# Altium PCB WirelessBoard_LCD20x4v2.PcbDoc
Units mil, origin at the board's own origin, x right, y up, seen from the top; angles counter-clockwise.
Board outline 7283.46 x 3149.61 mil, 2 copper layers (Top Layer, Bottom Layer); 72 components, 84 nets, 498 pads, 19 vias.
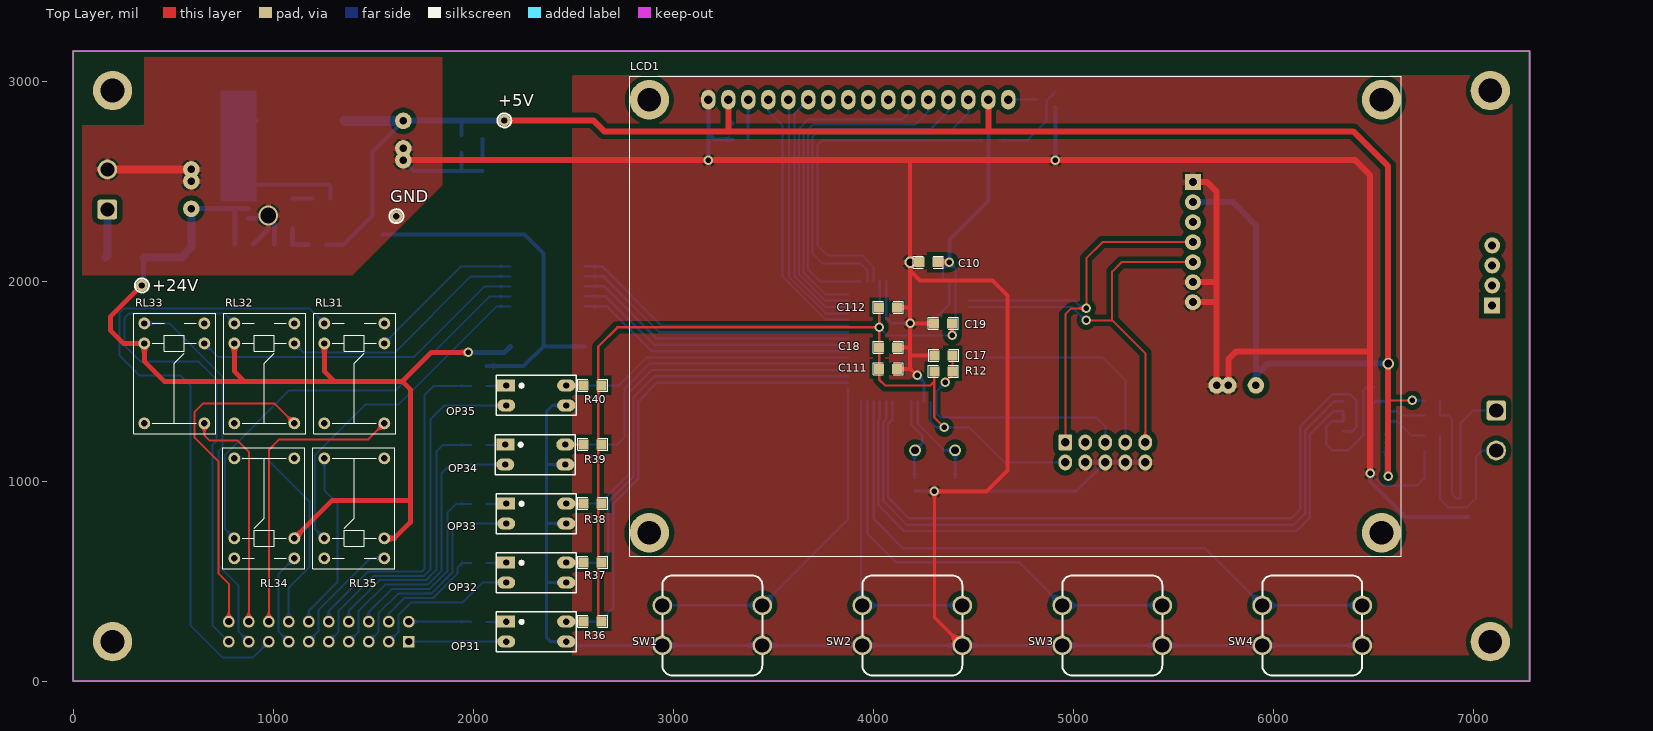
[diagram p0: Top Layer view]
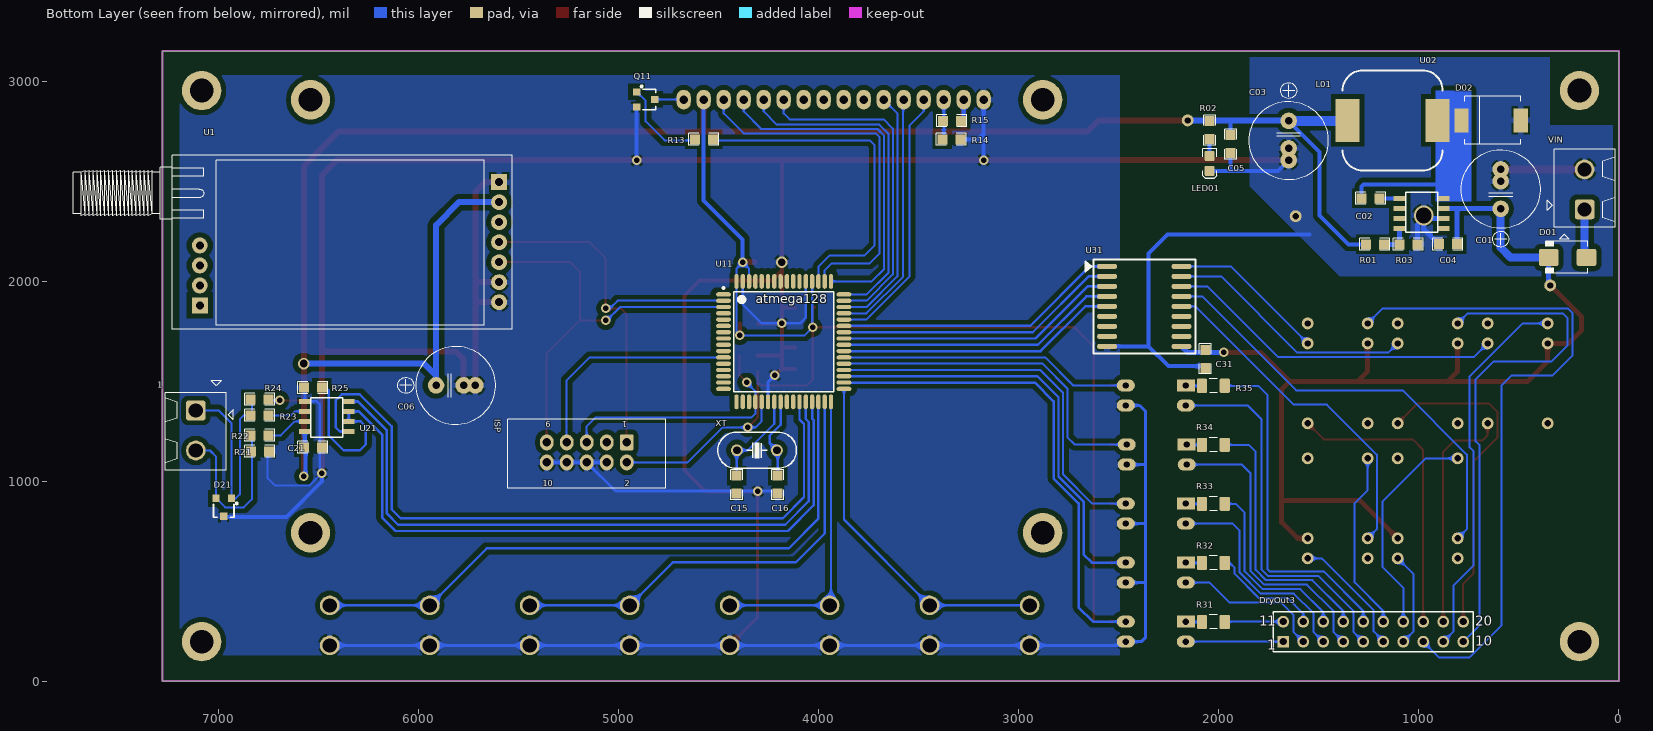
[diagram p1: Bottom Layer view, seen from below]
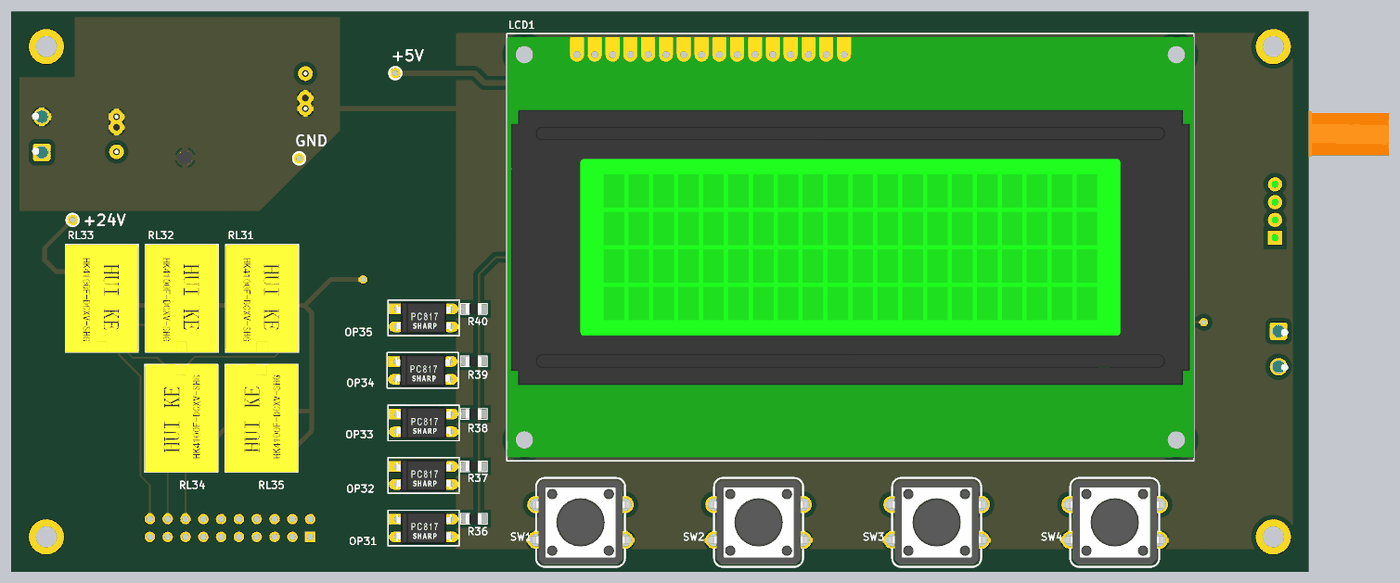
[diagram p2: 3D render of the assembled board from above, using the file's embedded part models]
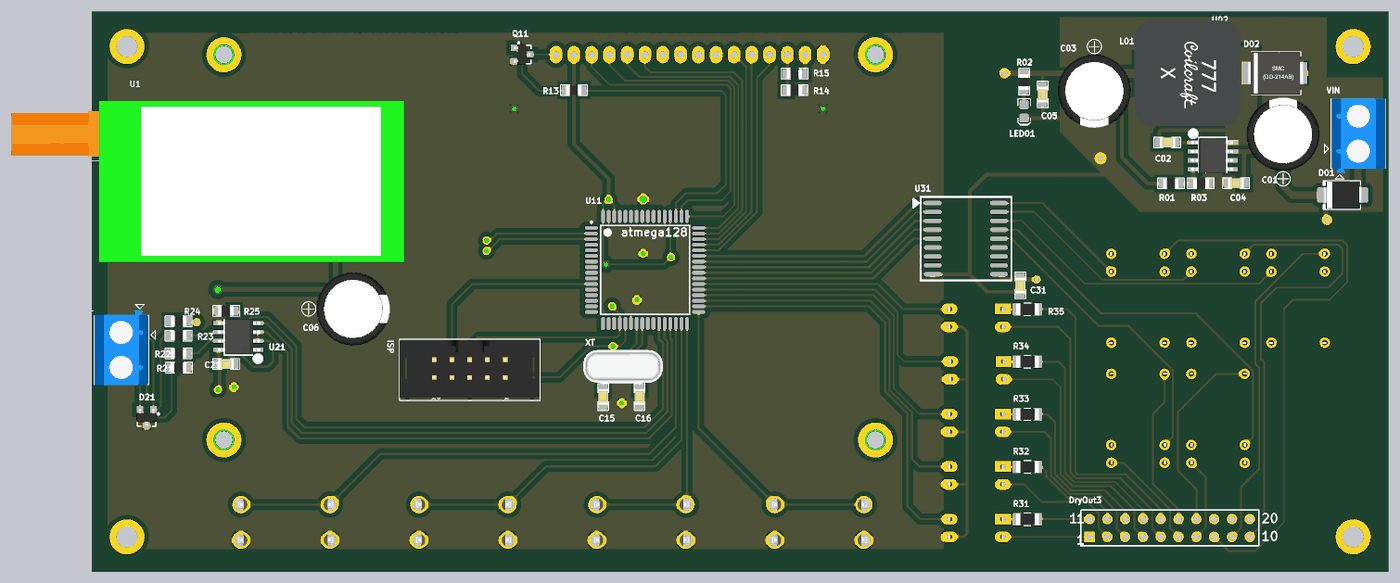
[diagram p3: 3D render of the assembled board from below, using the file's embedded part models]

## Layer stack, top to bottom
Top Solder: solder mask 0.4, Solder Resist, Dk 3.5
Top Layer: signal copper 1.4
Dielectric 1: dielectric 12.6, FR-4, Dk 4.8
Bottom Layer: signal copper 1.4
Bottom Solder: solder mask 0.4, Solder Resist, Dk 3.5

## Board outline
0,0 7283.46,0 7283.46,3149.61 0,3149.61

## Design rules (kind name [scope] priority, off if disabled: settings)
Clearance [All] p1: gap=12 ignorepadtopadclearanceinfootprint=FALSE except(0: Arc-Hole Track-Hole SMDPad-Hole THPad-Hole Via-Hole Fill-Hole Poly-Hole Region-Hole Text-Hole; 8: Arc-SMDPad Track-SMDPad SMDPad-SMDPad; 25: Arc-Poly Track-Poly SMDPad-Poly THPad-Poly Via-Poly Fill-Poly Poly-Poly)
PlaneConnect [All] p1: planeconnectstyle=Relief reliefexpansion=20 reliefentries=4 reliefconductorwidth=30 reliefairgap=10
PolygonConnect [All] p1: connectstyle=Relief reliefconductorwidth=30 reliefentries=4 polygonreliefangle="90 Angle" airgapwidth=10
RoutingVias [All] p1: holewidth=31.5 width=51.18 viastyle="Through Hole" minholewidth=27.56 minwidth=47.24 maxholewidth=196.85 maxwidth=196.85
SolderMaskExpansion [All] p1: expansion=4
Width [All] p1: maxlimit=50 minlimit=10 preferedwidth=10
29 further rules are at their usual default settings.

## Classes and differential pairs
component class 3.Relayv2: C31 DryOut3 OP31 OP32 OP33 OP34 OP35 R31 R32 R33 R34 R35 R36 R37 R38 R39 R40 RL31 RL32 RL33 RL34 RL35 U31
component class 1.MCUv3: 1 +5V +24V C01 C02 C03 C04 C05 C06 C10 C15 C16 C17 C18 C19 C21 C111 C112 D01 D02 D21 GND ISP L01 LCD1 LED01 Q11 R01 R02 R03 R12 R13 R14 R15 R21 R22 R23 R24 R25 SW1 SW2 SW3 SW4 U1 U02 U11 U21 VIN XT

## Components (designator, comment, footprint, x,y, rotation, side; value= is the part's Value field where it differs from the comment)
1 "Giắc xanh 5.08mm" 2P_PCB1 7116.06,1252.8 r0 bottom value="2 position"
+5V "TP" TP2 2156.06,2803.35 r0 top
+24V "TP" TP2 343.56,1978.35 r90 top
C01 "Tụ nhôm cắm35V/220uF" CAPE3.5-5.0MM_Rad_10x14mm 590.63,2459.92 r90 bottom value=35V/220uF
C02 "Tụ điện dán 0805103" "CAP 0805"#1 1240.63,2413.35 r0 bottom value=103
C03 "Tụ nhôm cắm35V/220uF" CAPE3.5-5.0MM_Rad_10x14mm 1651.06,2702.72 r270 bottom value=35V/220uF
C04 "Tụ điện dán 0805104" "CAP 0805"#1 856.06,2184.84 r180 bottom value=104
C05 "Tụ điện dán 0805104" "CAP 0805"#1 1941.06,2683.35 r90 bottom value=104
C06 "Tụ nhôm cắm35V/220uF" CAPE3.5-5.0MM_Rad_10x14mm 5816.06,1478.35 r180 bottom value=35V/220uF
C10 "Tụ điện dán 0805104" "CAP 0805"#2 4276.06,2094.35 r0 top value=104
C15 "Tụ điện dán 080522p" "CAP 0805"#1 4411.06,983.35 r270 bottom value=22p
C16 "Tụ điện dán 080522p" "CAP 0805"#1 4206.06,983.35 r270 bottom value=22p
C17 "Tụ điện dán 0805104" "CAP 0805"#2 4352.06,1628.35 r0 top value=104
C18 "Tụ điện dán 0805104" "CAP 0805"#2 4076.06,1668.35 r180 top value=104
C19 "Tụ điện dán 0805104" "CAP 0805"#2 4349.57,1788.35 r0 top value=104
C21 "Tụ điện dán 0805104" "CAP 0805"#1 6531.06,1168.35 r180 bottom value=104
C31 "Tụ điện dán 0805104" "CAP 0805"#1 2066.93,1610.24 r90 bottom value=104
C111 "Tụ điện dán 0805104" "CAP 0805"#2 4076.06,1560.87 r180 top value=104
C112 "Tụ điện dán 0805104" "CAP 0805"#2 4076.06,1868.35 r180 top value=104
D01 "Đi ốt dánchân DO-214AB" DO-214AA 256.06,2118.35 r0 bottom
D02 "SS34" "SMD diode" 790,2803.35 r180 bottom
D21 "SM712" "SOT23 TOP" 6976.06,868.35 r0 bottom
DryOut3 "Header 10X2A" HDR2X10_CEN 1677.95,196.85 r180 bottom
GND "TP" TP2 1616.06,2324.46 r0 top
ISP "Giắc đôi 5x2 chân 2.54mm" 10P_PCB_HEADER_BRD_MNT 5161.06,1143.35 r270 bottom value="Double-row, 10 positions"
L01 "Cuộn cảm dán22uH" "Inductor 12x12x6" 881.06,3053.35 r0 bottom value=22uH
LCD1 "Màn hình LCD text20x4" "LCD 20x4" 3176.06,2907.35 r0 top
LED01 "Blue" LED-0805-K 2046.06,2588.35 r270 bottom
OP31 "PC817" DIP4/W0.3 2165.35,296.85 r270 top
OP32 "PC817" DIP4/W0.3 2165.35,592.13 r270 top
OP33 "PC817" DIP4/W0.3 2165.35,887.4 r270 top
OP34 "PC817" DIP4/W0.3 2160.63,1182.68 r270 top
OP35 "PC817" DIP4/W0.3 2165.35,1477.95 r270 top
Q11 "C828" "SOT23 TOP" 4866.06,2908.35 r270 bottom
R01 "Điện trở dán 080510k" "RES 0805"#1 1220.94,2183.35 r0 bottom value=10k
R02 "Điện trở dán 0805330R" "RES 0805"#1 2046.06,2753.46 r270 bottom value=330R
R03 "Điện trở dán 08053.24k" "RES 0805"#1 1051.06,2183.35 r180 bottom value=3.24k
R12 "Điện trở dán 080510k" "RES 0805"#2 4351.94,1548.35 r0 top value=10k
R13 "Điện trở dán 0805120R" "RES 0805"#1 4576.57,2708.35 r0 bottom value=120R
R14 "Điện trở dán 08051k" "RES 0805"#1 3336.06,2708.35 r180 bottom value=1k
R15 "Điện trở dán 080510k" "RES 0805"#1 3336.06,2801.14 r0 bottom value=10k
R21 "Điện trở dán 08051k" "RES 0805"#1 6796.06,1148.35 r0 bottom value=1k
R22 "Điện trở dán 080510R" "RES 0805"#1 6796.06,1228.35 r180 bottom value=10R
R23 "Điện trở dán 080510R" "RES 0805"#1 6796.06,1328.35 r180 bottom value=10R
R24 "Điện trở dán 08051k" "RES 0805"#1 6796.06,1408.35 r180 bottom value=1k
R25 "Điện trở dán 080510k" "RES 0805"#1 6531.06,1466.81 r0 bottom value=10k
R31 "Điện trở dán 12064k7" RESC3216N 2027.56,295.27 r0 bottom value=4k7
R32 "Điện trở dán 12064k7" RESC3216N 2027.56,590.54 r0 bottom value=4k7
R33 "Điện trở dán 12064k7" RESC3216N 2027.56,885.82 r0 bottom value=4k7
R34 "Điện trở dán 12064k7" RESC3216N 2027.56,1181.1 r0 bottom value=4k7
R35 "Điện trở dán 12064k7" RESC3216N 2027.56,1476.37 r0 bottom value=4k7
R36 "Điện trở dán 080510k" "RES 0805"#2 2596.06,298.35 r180 top value=10k
R37 "Điện trở dán 080510k" "RES 0805"#2 2596.06,593.35 r180 top value=10k
R38 "Điện trở dán 080510k" "RES 0805"#2 2596.18,888.35 r180 top value=10k
R39 "Điện trở dán 080510k" "RES 0805"#2 2596.06,1183.35 r180 top value=10k
R40 "Điện trở dán 080510k" "RES 0805"#2 2596.06,1478.35 r180 top value=10k
RL31 "HK4100F_12V" HK4100F 1556.06,1288.35 r90 top
RL32 "HK4100F_12V" HK4100F 1106.06,1288.35 r90 top
RL33 "HK4100F_12V" HK4100F 656.06,1288.35 r90 top
RL34 "HK4100F_12V" HK4100F 806.06,1113.35 r270 top
RL35 "HK4100F_12V" HK4100F 1256.06,1113.35 r270 top
SW1 "Nút bấm 4 chân cắm12x12x6mm" "SW 12x12x4" 3196.06,278.35 r0 top
SW2 "Nút bấm 4 chân cắm12x12x6mm" "SW 12x12x4" 4196.06,278.35 r0 top
SW3 "Nút bấm 4 chân cắm12x12x6mm" "SW 12x12x4" 5196.06,278.35 r0 top
SW4 "Nút bấm 4 chân cắm12x12x6mm" "SW 12x12x4" 6196.06,278.35 r0 top
U1 "Module thu phát không dây RFE32-TTL-1W" RF_AS32 5599.06,2494.35 r0 bottom value=E32-TTL-1W
U02 "TPS5430" "SOIC 8" 1095.63,2463.35 r180 bottom
U11 "ATmega128-16AC" 64A_N 4175.83,1697.17 r180 bottom
U21 "MAX4858 chân cắm" "SOIC 8" 6351.06,1198.35 r0 bottom
U31 "ULN2803A" SOIC-18 2373.03,1873.23 r180 bottom
VIN "Giắc xanh 5.08mm" 2P_PCB1 171.06,2458.35 r180 bottom value="2 position"
XT "Thạch anh cắm 16MHz" XT2 4310.06,1153.77 r0 bottom

## Footprints (in the part's own frame and the unit in brackets; to place one, negate y for a bottom-side part, rotate by r counter-clockwise, add the part's x,y. Pads: shape width x height; smd on the part's side, far side on the other; paste and mask are expansions set on the pad)
2P_PCB1 [mm]
  rrect25% 2.5x2.5 hole 1.8: 1(0,-2.54)
  round 2.5 hole 1.8: 2(0,2.54)
  silkscreen extent -4.78,-6.35 3.9,5.08, body extent -3.71,-5.47 3.89,5.13, height 10.01
10P_PCB_HEADER_BRD_MNT [mil] "HEADER BRD MNT 10POS 2.54MM"
  round 40 on Mech14: 0(0,0)
  rrect25% 80x68 hole 42: 1(-50,200)
  oval 80x68 hole 42: 2(50,200) 3(-50,100) 4(50,100) 5(-50,0) 6(50,0) 7(-50,-100) 8(50,-100) 9(-50,-200) 10(50,-200)
  silkscreen extent -165,-395 180,395, body extent -162,-394 178,394, height 390
64A_N [mm] "Thin QFP, 64-Leads, Body 14x14mm, Pitch 0.8mm, IPC Medium Density"
  oval 1.877x0.55 smd: 1(-7.65,6) 2(-7.65,5.2) 3(-7.65,4.4) 4(-7.65,3.6) 5(-7.65,2.8) 6(-7.65,2) 7(-7.65,1.2) 8(-7.65,0.4) 9(-7.65,-0.4) 10(-7.65,-1.2) 11(-7.65,-2) 12(-7.65,-2.8) 13(-7.65,-3.6) 14(-7.65,-4.4) 15(-7.65,-5.2) 16(-7.65,-6) 33(7.65,-6) 34(7.65,-5.2) 35(7.65,-4.4) 36(7.65,-3.6) 37(7.65,-2.8) 38(7.65,-2) 39(7.65,-1.2) 40(7.65,-0.4) 41(7.65,0.4) 42(7.65,1.2) 43(7.65,2) 44(7.65,2.8) 45(7.65,3.6) 46(7.65,4.4) 47(7.65,5.2) 48(7.65,6)
  oval 0.55x1.877 smd: 17(-6,-7.65) 18(-5.2,-7.65) 19(-4.4,-7.65) 20(-3.6,-7.65) 21(-2.8,-7.65) 22(-2,-7.65) 23(-1.2,-7.65) 24(-0.4,-7.65) 25(0.4,-7.65) 26(1.2,-7.65) 27(2,-7.65) 28(2.8,-7.65) 29(3.6,-7.65) 30(4.4,-7.65) 31(5.2,-7.65) 32(6,-7.65) 49(6,7.65) 50(5.2,7.65) 51(4.4,7.65) 52(3.6,7.65) 53(2.8,7.65) 54(2,7.65) 55(1.2,7.65) 56(0.4,7.65) 57(-0.4,7.65) 58(-1.2,7.65) 59(-2,7.65) 60(-2.8,7.65) 61(-3.6,7.65) 62(-4.4,7.65) 63(-5.2,7.65) 64(-6,7.65)
  silkscreen extent -7.78,-6.35 6.35,6.95, body extent -7,-7 7,7, height 1.2
"CAP 0805"#1 [mm]
  round 0.254 on Mech14: 0(0,0)
  rect 1.27x1.27 smd: 1(-1.118,0) 2(1.168,0)
  rrect25% 1x1.4 on Bottom Paste: 1(-0.9,0) 1(0.9,0)
  rrect25% 1.2x1.4 on Bottom Solder: 1(-0.9,0) 1(0.9,0)
  Top Layer pour cut-out: 0.4,-0.8 -0.4,-0.8 -0.4,0.8 0.4,0.8
  silkscreen extent -1.88,-0.76 1.93,0.76, body extent -1.1,-0.73 1.1,0.72, height 1.34
"CAP 0805"#2 [mm]
  round 0.254 on Mech14: 0(0,0)
  rect 1.27x1.27 smd: 1(-1.118,0) 2(1.168,0)
  rrect25% 1x1.4 on Top Paste: 1(-0.9,0) 1(0.9,0)
  rrect25% 1.2x1.4 on Top Solder: 1(-0.9,0) 1(0.9,0)
  Top Layer pour cut-out: 0.4,-0.8 -0.4,-0.8 -0.4,0.8 0.4,0.8
  silkscreen extent -1.88,-0.76 1.93,0.76, body extent -1.1,-0.73 1.1,0.72, height 1.34
CAPE3.5-5.0MM_Rad_10x14mm [mm] "3.5 & 5.0mm Pitch Radial Capacitor 10x14mm DxH"
  round 0.5 on Mech14: 0(0,0)
  round 2.1 hole 0.965: 1(-2.5,0) 2(1,0) 2(2.5,0)
  silkscreen extent -7.37,-5 5,5, body extent -5.25,-5.25 5.25,5.25, height 13.99
DIP4/W0.3 [mil] "PC817"
  rect 60x90 hole 31: 1(0,0)
  oval 60x90 hole 31: 2(100,0) 3(100,300) 4(0,300)
  silkscreen extent -50,-50 150,350, body extent -40,-5 140,305, height 169
DO-214AA [mm] "JEDEC DO214 variation AA. SMB"
  round 0.508 on Mech14: 0(0,0)
  rrect25% 2.5x2.2 smd: A(-2.4,0) K(2.4,0)
  silkscreen extent -2.54,-2.03 2.79,2.03, body extent -2.8,-1.97 2.8,1.98, height 2.62
HDR2X10_CEN [mm] "Connector; Header; 10x2 Position"
  rect 1.5x1.5 hole 0.9: 1(0,0)
  round 1.5 hole 0.9: 2(2.54,0) 3(5.08,0) 4(7.62,0) 5(10.16,0) 6(12.7,0) 7(15.24,0) 8(17.78,0) 9(20.32,0) 10(22.86,0) 11(0,2.54) 12(2.54,2.54) 13(5.08,2.54) 14(7.62,2.54) 15(10.16,2.54) 16(12.7,2.54) 17(15.24,2.54) 18(17.78,2.54) 19(20.32,2.54) 20(22.86,2.54)
  silkscreen extent -1.27,-1.27 24.13,3.81, body extent -1.27,-1.27 24.13,3.81, height 7
HK4100F [mm] "Relay 6 pin"
  round 1.5 hole 0.8: 1(0,7.62) 2(0,0) 3(10.16,7.62) 4(10.16,0) 5(12.7,7.62) 6(12.7,0)
  silkscreen extent -1.35,-1.45 14.02,8.97, body extent -1.38,-1.43 14.02,8.97, height 11.82
"Inductor 12x12x6" [mil]
  rect 120x215 smd: 1(25,250) 2(475,250)
  silkscreen extent 0,0 500,500, body extent -50,-47 544,547, height 356
"LCD 20x4" [mm]
  oval 1.8x2.5 hole 1.1: 1(0,0) 2(2.54,0) 3(5.08,0) 4(7.62,0) 5(10.16,0) 6(12.7,0) 7(15.24,0) 8(17.78,0) 9(20.32,0) 10(22.86,0) 11(25.4,0) 12(27.94,0) 13(30.48,0) 14(33.02,0) 15(35.56,0) 16(38.1,0)
  round 3 hole 3: H(-7.5,-55) H(-7.5,0) H(85.5,-55) H(85.5,0)
  silkscreen extent -10,-58 88,3, body extent -10,-57.5 88,2.5, height 22.6
LED-0805-K [mil]
  round 20 on Mech14: 0(0,0)
  rrect25% 50x50 smd: A(-37.5,0) K(37.5,0)
  Top Layer pour cut-out: -15,30 15,30 15,-30 -15,-30
  silkscreen extent -72,-35 77,35, body extent -39,-25 39,25, height 31
"RES 0805"#1 [mm] "Compoment SMD 80x50mil"
  round 0.254 on Mech14: 0(0.003,0)
  rrect25% 0.8x1.3 on Bottom Paste: 1(-0.997,0) 1(1.003,0)
  rrect25% 1x1.3 on Bottom Solder: 1(-0.997,0) 1(1.003,0)
  rect 1.27x1.27 smd: 1(1.116,0) 2(-1.17,0)
  Top Layer pour cut-out: 0.603,-0.75 -0.597,-0.75 -0.597,0.75 0.603,0.75
  silkscreen extent -1.93,-0.76 1.88,0.76, body extent -1.1,-0.68 1.1,0.67, height 0.69
"RES 0805"#2 [mm] "Compoment SMD 80x50mil"
  round 0.254 on Mech14: 0(0.003,0)
  rrect25% 0.8x1.3 on Top Paste: 1(-0.997,0) 1(1.003,0)
  rrect25% 1x1.3 on Top Solder: 1(-0.997,0) 1(1.003,0)
  rect 1.27x1.27 smd: 1(1.116,0) 2(-1.17,0)
  Top Layer pour cut-out: 0.603,-0.75 -0.597,-0.75 -0.597,0.75 0.603,0.75
  silkscreen extent -1.93,-0.76 1.88,0.76, body extent -1.1,-0.68 1.1,0.67, height 0.69
RESC3216N [mm] "Chip Resistor, Body 3.2x1.6mm, 1206, IPC Medium Density"
  round 0.508 on Mech14: 0(0,0)
  rrect25% 1.3x1.8 smd: 1(-1.45,0) 2(1.45,0)
  silkscreen extent -0.51,-0.89 0.51,0.89, body extent -1.62,-0.82 1.63,0.83, height 0.69
RF_AS32 [mil]
  round 80 hole 40: 0(1497,316) 0(1497,416) 0(1497,516) 2(0,100) 3(0,200) 4(0,300) 5(0,400) 6(0,500) 7(0,600)
  rect 80x80 hole 40: 0(1497,616) 1(0,0)
  silkscreen extent -65,-135 2130,735, body extent -68,-154 2136,752, height 532
"SMD diode" [mm] "SS54 SS34"
  rect 1.8x3.048 smd: A(7.62,0) K(0.1,0)
  silkscreen extent 0.51,-3.05 7.62,3.05, body extent -0.08,-3.05 8.05,3.05, height 2.4
"SOIC 8" [mm]
  rect 1.52x0.6 smd: 1(0,-1.27) 2(0,-2.54) 3(0,-3.81) 4(0,-5.08) 5(5.588,-5.08) 6(5.588,-3.81) 7(5.588,-2.54) 8(5.588,-1.27)
  round 1.524 on Bottom Overlay: 1(0,0)
  silkscreen extent 0.76,-5.55 4.83,-0.51, body extent -0.31,-5.67 5.71,-0.67, height 1.75
SOIC-18 [mm]
  oval 2.54x0.635 smd: 1(-4.725,5.08) 2(-4.725,3.81) 3(-4.725,2.54) 4(-4.725,1.27) 5(-4.725,0) 6(-4.725,-1.27) 7(-4.725,-2.54) 8(-4.725,-3.81) 9(-4.725,-5.08) 10(4.725,-5.08) 11(4.725,-3.81) 12(4.725,-2.54) 13(4.725,-1.27) 14(4.725,0) 15(4.725,1.27) 16(4.725,2.54) 17(4.725,3.81) 18(4.725,5.08)
  silkscreen extent -7.49,-5.97 6.48,5.97, body extent -5.03,-6 5.03,6, height 2.66
"SOT23 TOP" [mm]
  rect 0.9x0.95 smd: 1(-0.965,-1.143) 2(0,1.143) 3(0.965,-1.143)
  silkscreen extent -1.77,-0.63 1.3,1.25, body extent -1.46,-1.17 1.46,1.17, height 1
"SW 12x12x4" [mm] "Nut bam 12x12x4mm"
  round 2.5 hole 1.8: 1(-6.35,2.54) 1(6.35,2.54) 2(-6.35,-2.54) 2(6.35,-2.54)
  silkscreen extent -6.35,-6.35 6.35,6.35, body extent -6.93,-6 6.93,6, height 8.5
TP2 [mm]
  round 1.5 hole 0.8: 1(0,0)
  silkscreen extent -0.89,-0.89 0.89,0.89
XT2 [mm]
  round 1.5 hole 1: 1(-2.54,0) 2(2.54,0)
  silkscreen extent -5.03,-2.29 4.96,2.29, body extent -5.93,-2.36 5.42,2.29, height 3.5
